# KiCad board System-Controller-UVC.kicad_pcb (continued)
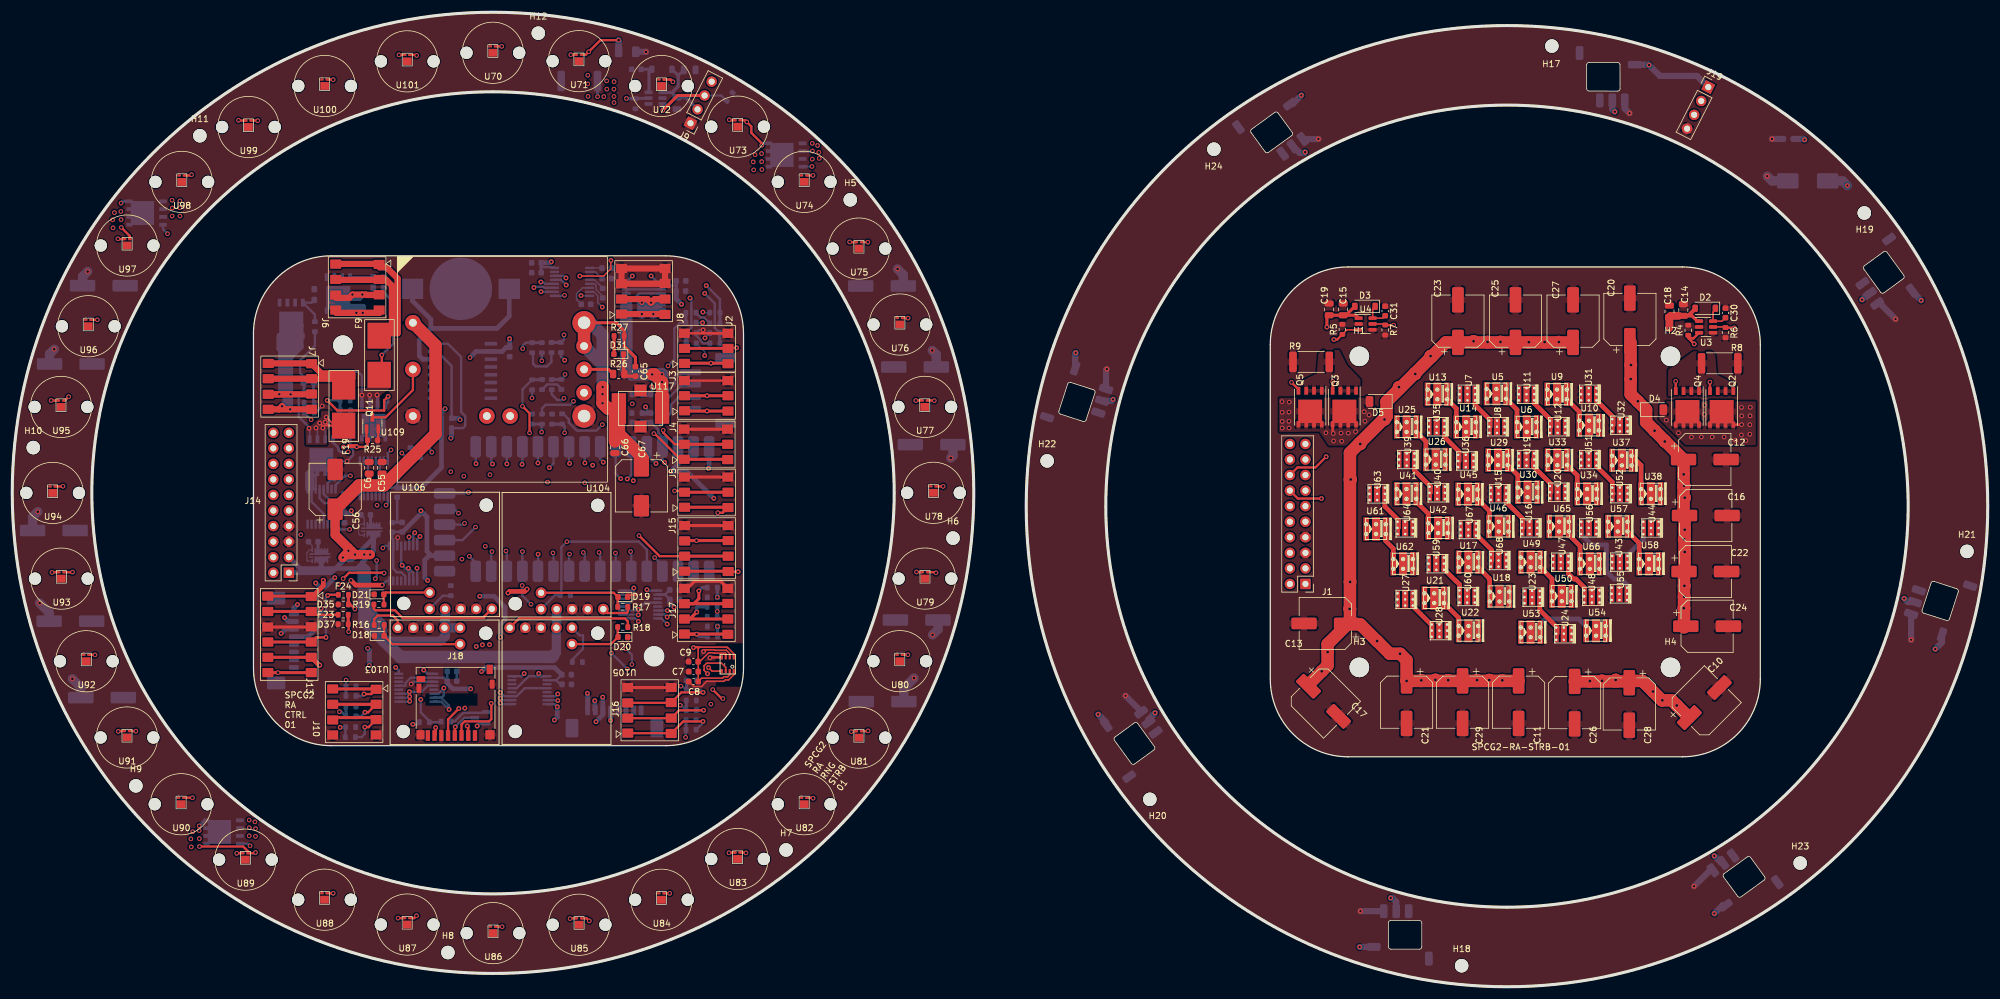
[diagram p0: board, top side]
## Nets (continued)
Pads without a net: J1 1 2 3 4 6 8 10 12 13 17 18 19 20; J11 MP; J12 MP; J18 1 8 9 10; J19 2; J20 MP; U1 13; U5 3; U6 3; U7 3; U8 3; U9 3; U10 3; U11 3; U12 3; U13 3; U14 3; U15 3; U16 3; U17 3; U18 3; U19 3; U20 3; U21 3; U22 3; U23 3; U24 3; U25 3; U26 3; U27 3; U28 3; U29 3; U30 3; U31 3; U32 3; U33 3; U34 3; U35 3; U36 3; U37 3; U38 3; U39 3; U40 3; U41 3; U42 3; U43 3; U44 3; U45 3; U46 3; U47 3; U48 3; U49 3; U50 3; U51 3; U52 3; U53 3; U54 3; U55 3; U56 3; U57 3; U58 3; U59 3; U60 3; U61 3; U62 3; U63 3; U64 3; U65 3; U66 3; U67 3; U68 3; U70 3; U71 3; U72 3; U73 3; U74 3; U75 3; U76 3; U77 3; U78 3; U79 3; U80 3; U81 3; U82 3; U83 3; U84 3; U85 3; U86 3; U87 3; U88 3; U89 3; U90 3; U91 3; U92 3; U93 3; U94 3; U95 3; U96 3; U97 3; U98 3; U99 3; U100 3; U101 3; U107 13; U108 1 3; U109 5 32 34; U110 4; U111 15; U112 13; U113 13; U114 13; U115 13; U116 13; U118 3 4; U119 3 4; U120 3 4; U121 3 4; U122 3 4; U123 3 4; U124 3 4; U125 15; U126 3 4

## Via types
v1: diameter 0.8, hole 0.4, Top to Bottom, 203 vias
v2: diameter 0.762, hole 0.457, Top to Bottom, 293 vias

## Routing (per net, layer and track width the routed paths; a pad name or vN(x,y) marks a point on that pad's centre or on a via; arc(x,y) is an arc through that point)
/DarkfieldColorAndIRIllumination/5V: length 117.6
  Top w0.254: 275.38,108.7 275.09,108.7 274.21,109.59 ; 274.99,110.8 274.99,110.68 273.88,109.56 272.04,109.56
  Top w0.508: D2.2 273.5,109.56 272.04,109.56 274.18,109.56 274.21,109.59 ; 219.82,109.18 219.34,109.66 C15.1 ; D3.2 217.72,109.66 C15.1 ; 274.05,109.74 275.09,108.7 U3.1 ; C15.1 C19.1 214.61,109.29 v1(214.61,107.72)
  Top w1.27: v1(270.52,107.57) 270.52,109.32 C18.1 270.76,109.56 272.04,109.56
  In2.Cu w1.27: 225.4,104.03 226.33,104.03 231.44,109.14 267.73,109.14 269.3,107.57 v1(270.52,107.57) ; 225.4,104.03 225.4,102.52 222.81,99.93 222.81,87.33 222.84,87.29 220.71,85.16 215.55,85.16 213.95,83.56 J1.15 ; 225.4,104.03 220.42,109.01 216.63,109.01 215.34,107.72 v1(214.61,107.72)
/LEDController/3.3V_LDO: length 384.4
  Top w0.25: 116.68,55.39 116.6,55.47 112.19,55.47 111.97,55.25 C9.1 ; C9.1 112.24,53.09 113.69,54.54 114.49,54.54 114.56,54.47 116.41,54.47 ; C9.1 111.99,53.07 C7.1 C8.1 112.55,50.4 115.96,50.4 116.17,50.62
  Top w0.254: 116.68,55.39 116.79,55.39 117.78,54.4 U2.8 ; 116.17,50.62 116.78,50.62 117.13,50.97 U2.2 ; U2.6 116.48,54.4 116.41,54.47
  Top w0.381: v1(111.2,55.38) 111.29,55.47 112.19,55.47
  In1.Cu w0.381: 109.26,96.85 105.04,96.85 104.4,97.49 v1(104.4,98)
  In1.Cu w0.762: v1(111.2,55.38) 109.71,56.88 109.71,60.11 108.04,61.78 v1(108.04,61.97) 107.21,62.8 107.21,72.44 v1(114.53,79.76) ; J14.17 v1(55.36,77.73) 55.4,77.69 66.67,77.69 v1(66.71,77.73) 66.55,77.89 v1(66.55,81.27) ; v1(109.26,111.46) 109.26,86.46 107.49,84.69 v1(107.49,84.17) 90.43,84.17 88.11,86.49 88.11,106.09 ; v1(88,118.39) 88.11,118.28 88.11,106.09 ; v1(76.32,63.77) 73.74,66.35 v1(67.82,66.35) ; v1(81.19,105.83) 81.45,106.09 88.11,106.09 ; v1(79.67,57.09) 79.35,56.77 79.35,53.86 76.97,51.48 v1(76.61,51.48) 76.61,50.42 v1(74.84,48.65)
  In2.Cu w0.762: v2(74.73,102.76) 74.73,101.99 70.67,97.93 v2(70.67,94.4)
  In4.Cu w0.508: v1(75.9,42.59) 74.84,43.65 v1(74.84,48.65) 72.44,48.65 66.65,42.86 v1(65.4,42.86)
  Bottom w0.381: U1.5 50.82,80.48 52.32,78.98 52.4,78.98 ; 52.4,78.98 50.97,78.98 50.17,79.78 U1.4 ; 52.4,78.98 C2.1 54.19,77.37 C1.1 52.48,77.32 52.4,77.4 52.12,77.13 U1.10 ; 88.81,50.06 89.48,49.38 C61.1 ; 88.81,50.06 U114.10 ; 88.81,50.06 C62.1 ; 108.4,114.52 108.4,114.53 U116.10 ; U102.16 88.39,117.52 86.35,117.52 ; v1(104.4,98) 104.4,96.85 F25.2 ; C53.1 C52.1 61.22,81.5 60.65,80.93 U107.10 ; C63.1 62.06,74.29 C64.1 62.02,73.22 62.2,73.04 U115.10 62.2,68.29 62.81,67.68 63.52,67.68 64.15,67.06 U115.4 ; C60.1 106.56,64.05 U113.10 106.57,64.05 C59.1 ; C57.1 C58.1 70.47,50.47 U112.10 65.06,50.47 64.19,49.59 64.19,49.17 U112.5
  Bottom w0.508: C47.1 C48.1 ; v1(65.4,42.86) 66.1,42.86 R28.2 ; C68.1 108.4,113.63 C69.1 ; Q14.2 76.29,42.98 v1(75.9,42.59)
  Bottom w0.762: C48.1 87.83,118.23 v1(88,118.39) ; 68.42,70.4 68.05,70.4 67.35,69.7 67.35,66.82 v1(67.82,66.35) ; 68.42,70.4 67.71,71.11 67.71,76.73 v1(66.71,77.73) 66.71,77.28 63.71,74.29 C63.1 ; 68.42,70.4 U108.34 ; C1.1 54.94,77.32 v1(55.36,77.73) ; v1(81.19,105.83) 81.2,105.82 C54.2 80.68,104.45 79.97,103.75 U110.2 75.71,103.75 v2(74.73,102.76) ; v2(70.67,94.4) 70.01,93.74 70.01,92.9 R23.2 70.07,92.84 R24.2 70.07,84.79 v1(66.55,81.27) 66.32,81.5 C52.1 ; U108.30 108.68,85.36 v1(107.49,84.17) 110.12,84.17 v1(114.53,79.76) ; v1(76.61,51.48) 77.26,52.13 88.56,52.13 C62.1 ; v1(79.67,57.09) 79.67,59.16 80.46,59.94 80.46,61.96 78.65,63.77 v1(76.32,63.77) ; 104.28,96.73 D40.1 ; C60.1 107.36,62.65 v1(108.04,61.97) ; v1(74.84,48.65) 71.93,48.65 71.01,49.57 C58.1 ; C69.1 108.38,112.34 v1(109.26,111.46)
/LEDController/5V_reg: length 225.9
  Top w0.508: J13.1 48.76,63.79
  Top w0.762: v1(50.78,66.39) 50.78,65.5 49.02,63.74 J13.1 ; v1(80.93,64.31) 81.18,64.57 83.67,64.57 v1(84.04,64.93)
  In1.Cu w0.762: v1(53.28,65.73) 60.39,58.62 60.39,48.22 63.33,45.28 v1(71.31,45.28) 72.26,44.32 73.29,44.32 73.48,44.51 96.65,44.51 v1(97.68,43.49) ; v1(80.93,64.31) 80.52,63.91 80.52,60.01 77.32,60.01 74.75,57.43 74.75,53.07 v1(70.46,48.79) ; v1(113.68,84.66) 113.68,81.37 99.56,67.25 86.1,67.25 84.21,65.36 84.21,65.13 84.04,64.96 v1(84.04,64.93)
  In2.Cu w0.762: v1(50.41,61.78) 50.41,65.48 50.78,65.85 v1(50.78,66.39) ; J14.15 52.87,77.68 52.87,68.48 v1(50.78,66.39) ; v1(50.78,66.39) 51.43,65.73 v1(53.28,65.73) 53.63,65.73 60.7,58.66 60.7,49.18 64.23,45.65 64.24,45.66 66.56,45.66 66.57,45.65 67.33,45.65 v1(70.46,48.79) 70.46,46.13 v1(71.31,45.28)
  Bottom w0.381: 69.86,47.22 70.1,47.22 70.46,47.57 v1(70.46,48.79) 70.46,48.76 69.56,47.87 U112.14 ; 69.86,47.22 70,47.22 71.31,45.91 v1(71.31,45.28) 70.02,46.57 U112.16 ; 69.86,47.22 U112.15
  Bottom w0.762: U108.32 113.76,84.74 v1(113.68,84.66) ; v1(50.41,61.78) 50.41,59.32 48.24,57.16 J11.5 ; v1(97.68,43.49) J12.5
/LEDController/12V_ENABLE: length 117.4
  Top w0.381: Q11.1 57.84,89.4 R25.1 57.99,88.5 57.66,88.16 54.95,88.16 54.79,88.33 54.89,88.42 55.84,88.42 55.86,88.44 56.17,88.44 56.19,88.42 56.19,88.2 v1(56.22,88.17)
  In3.Cu w0.381: 55.8,85.85 67.43,74.22 82.27,74.22 v1(85.85,70.64) 85.06,69.85 85.06,63.94 83.91,62.79 83.91,62.36 82,60.44 78.03,60.44 74.88,57.29 68.94,57.29 54,42.36 53.51,42.36 ; 55.8,85.85 56.22,86.27 v1(56.22,88.17) ; 55.8,85.85 46.42,76.47 43.86,76.47 42.62,75.23
  Bottom w0.381: F22.2 54.4,40.79 D32.1 53.55,42.4 53.51,42.36 ; U108.12 85.85,67.89 v1(85.85,70.64)
  vias: v1(53.54,42.36)
/LEDController/GND: length 177.8
  Top w0.25: 116.4,50.11 116.17,49.88 113.38,49.88 112.54,49.04 111.24,49.04 C8.2
  Top w0.254: U2.1 117.78,50.94 116.94,50.11 116.4,50.11 ; U2.7 117.13,54.4 116.59,54.94 114.73,54.94 114.66,55.01 113.13,55.01 v1(112.85,54.74)
  Top w0.381: 100.58,64.05 100.53,64 101.96,64 ; v1(112.79,107.27) 112.79,106.72 J2.3 J2.3 ; U2.5 113.97,53.8 v1(113.9,53.73) ; J3.3 J3.3 ; R25.2 59.74,89.34 Q11.2
  Top w0.508: J17.4 115.64,66.23 111.41,66.23 110.23,65.06 J17.4 ; D31.1 99.8,100.18 100.26,99.72 C65.2 ; J4.3 J4.3 ; J15.4 J15.4 ; J16.4 J16.4 ; J5.3 J5.3 ; J13.3 48.76,58.74
  Top w1.016: 99.47,117.31 99.47,114.81 106.52,114.81 J8.3 J8.4 99.47,117.31
  Bottom w0.178: U111.14 56.78,73.74 56.55,73.97 56.55,75.43 56.66,75.54 U111.1 57.46,76.54 C4.1 56.8,77.06 ; C5.1 48.96,72.08 U125.1 48.48,71.31 48.11,70.94 48.11,69.64 48.24,69.51 U125.14
  Bottom w0.381: C52.2 62.84,75.88 62.8,75.84 ; D12.2 112.81,105.08 112.42,105.47 112.42,105.59 111.64,106.37 D15.2 112.15,107.27 v1(112.79,107.27) ; D8.2 89.64,97.68 88.95,98.37 87.34,98.37 D10.2 ; v2(62.92,73.35) 62.85,73.28 U115.11 ; R15.2 55.19,88.14 55.63,87.7 55.63,86.79 v2(54.67,85.82) 54.02,85.82 53.67,85.47 53.67,83.72 52.66,82.71 51.95,82.71 51.47,82.24 U1.6 ; D22.2 85.02,103.4 85.02,101.75 85.46,101.31 87.3,101.31 88.03,102.04 D24.2 ; D13.2 112.39,109.3 112.91,109.3 113.85,108.36 D14.2 ; C57.2 C58.2 ; U116.11 U116.6 U116.5 U116.4 ; U112.11 65.48,49.82 v2(65.12,49.46) ; U107.11 60,85.22 U107.5 ; 62.8,75.84 C63.2 ; 62.8,75.84 62.06,75.84 C64.2 ; R3.2 49.54,93.75 v2(50.61,94.82)
/LEDController/Vin: length 184.1
  Top w0.762: C6.1 58.27,81.95 58.35,81.87 ; C55.1 60.37,82.19 60.69,81.87
  Top w1.524: v1(55.96,70.58) v1(57.47,70.58) v1(58.43,70.58) ; v1(55.96,70.58) 55.34,71.2 v1(54.88,71.2) 54.88,71.66 52.72,73.82 C56.1 ; v1(55.96,70.58) 54.45,70.58 v1(53.97,70.1)
  Top w2.032: U109.1 69.11,104.74 69.11,90.29 60.69,81.87 56.61,81.87 C56.1
  Bottom w0.762: U111.10 55.44,69.73 54.19,69.73 52.08,67.61 J14.1 49.39,67.61 50.46,68.68 U125.13 ; U111.13 58.96,72.43 ; 58.96,72.43 U111.11 ; 58.96,72.43 58.96,71.11 v1(58.43,70.58) 57.15,69.3 57.15,68.31 47,68.31 J14.3
  Bottom w1.524: 88.36,54.12 88.83,54.6 U105.4 88.87,58.67 U104.4 ; 57.15,68.31 57.15,62.43 60.41,59.17 60.41,56.42 69.88,56.42 70.68,57.22 70.68,58.5 U103.4 ; U106.4 70.67,58.73 U103.4 ; U103.4 U103.5
  Bottom w2.032: 88.36,54.12 88.1,53.86 63.34,53.86 57.51,59.69 57.51,67.95 57.15,68.31
/UVCIllumination/GND: length 33.7
  Bottom w1.016: v1(181.73,47.53) 184.28,44.98 U123.1 ; U124.1 178.57,100.75 v1(178.69,100.87) ; v1(310,56.67) 309.99,56.69 U120.1 ; v1(213.23,138.46) 213.22,138.44 U126.1 ; v1(274.57,16.41) 277.19,19.03 U121.1 ; R30.2 v1(287.27,138.46) ; U118.1 263.24,143.44 v1(264.03,142.65) ; U119.1 304.9,111.59 v1(307.45,109.04) ; U122.1 v1(220.09,12.35)
  Bottom w1.524: C70.2 287.27,131.6 v1(286.51,132.36)
/UVCIllumination/VIN: length 34.1
  Bottom w1.016: v1(177.29,44.48) 178.59,43.18 U123.5 ; U124.5 173.52,103.45 v1(173.61,103.53) ; J19.1 275.05,148.75 268.98,148.75 v1(267.2,150.52) 267.14,150.59 U118.5 ; v1(313.94,55.15) 315.03,56.24 U120.5 ; U126.5 209.01,144.14 v1(210.44,145.57) ; U119.5 310.15,113.57 v1(311.64,112.08) ; U121.5 279.24,13.33 v1(277.87,11.97) ; 222.25,6.51 v1(219.96,6.51)
  Bottom w1.524: C70.1 298.83,131.6 v1(299.59,130.84)
/VioletRingIllumination/5V: length 12.7
  Bottom w0.508: 108.71,148.82 108.72,148.82 C34.1 ; 108.71,148.82 108.71,147.05 107.7,146.04 ; 108.71,148.82 D6.2 ; 106.22,146.04 107.7,146.04 ; 107.7,146.04 C36.1 109.94,145.22 J9.2
/DarkfieldColorAndIRIllumination/TRIG_COLOR: length 97.2
  Top w0.254: 274.49,105.91 275.38,106.8
  Top w0.381: v1(213.72,79.72) 209.87,79.72 J1.14 ; 273.65,105.91 v1(274.58,104.98) ; 273.65,105.91 273.65,106.33 274.07,105.91 274.49,105.91 ; 273.65,105.91 274.49,105.91 ; 274.49,105.91 U3.3
  In4.Cu w1.016: v1(213.72,79.72) 216.99,79.72 220.78,83.51 267.17,83.51 267.17,88.53 266.2,89.5 266.2,94.45 268.76,97.01 267.89,97.88 267.89,104.64 269.02,105.77 273.79,105.77 v1(274.58,104.98)
/DarkfieldColorAndIRIllumination/TRIG_IR: length 48.4
  Top w0.254: 219.82,107.28 217.89,107.28 R5.1
  Top w0.381: R5.1 216.31,105.7 v1(215.75,105.7) ; v1(214.5,86.56) 212.74,84.8 209.82,84.8 J1.16
  In4.Cu w1.016: v1(215.75,105.7) 216.84,106.79 222.04,106.79 224.45,104.38 224.45,100.54 222.93,99.03 222.93,89.11 223.43,88.61 221.38,86.56 v1(214.5,86.56)
/DarkfieldColorAndIRIllumination/VAnodeColor: length 72.4
  Top w2.032: 255.06,49.87 257.49,49.87 v2(257.54,49.91) 257.59,49.87 259.43,49.87 v2(259.54,49.97) 259.65,49.87 261.5,49.87 v2(261.75,50.11) 262,49.87 264.12,49.87 264.2,49.95 266.13,49.95 v2(267.86,48.21) 269.3,46.77 v2(269.39,46.77) 270.93,46.77 271.73,45.97 v2(271.73,45.93) 271.77,45.93 273.68,44.02 ; 264.2,105.23 264.2,101.59 v2(264.25,101.54) 264.2,101.5 264.2,99.25 v2(264.21,99.24) 264.2,99.24 264.2,96.76 265.35,95.61 v2(265.38,95.61) 265.38,95.58 D4.1 266.73,92.21 268.11,90.83 v2(268.11,90.8) 268.13,90.8 269.77,89.17 v2(269.77,89.04) 269.89,89.04 272.84,86.1 272.84,83.7 v2(272.86,83.67) 272.84,83.65 272.84,81.94 v2(272.96,81.81) 272.84,81.69 272.84,80.07 v2(273.03,79.87) 272.84,79.68 272.84,77.12 C16.1 273,74.68 v2(273.03,74.64) 273,74.61 273,73.15 v2(272.93,73.08) 273,73.02 273,71.05 v2(273.03,71.01) 273,70.98 273,67.89 C22.1 272.92,65.55 v2(272.98,65.48) 272.92,65.42 272.92,63.73 v2(272.95,63.69) 272.92,63.66 272.92,61.86 v2(272.88,61.82) 272.92,61.79 272.92,58.67
/DarkfieldColorAndIRIllumination/VAnodeIR: length 121.4
  Top w2.032: 217.97,59.17 217.95,59.17 214.73,55.95 v2(214.73,54.65) 214.73,52.47 v2(213.77,51.51) 213.77,51.5 211.71,49.44 ; 217.97,59.17 220.07,59.17 222.79,56.45 v2(222.81,56.45) 224.88,54.38 v2(226.56,54.38) 227.63,53.32 v2(227.63,49.95) 229.95,49.95 v2(230.03,50.03) 230.12,49.95 232.16,49.95 v2(232.33,50.12) 232.51,49.95 234.31,49.95 v2(234.42,50.06) 234.54,49.95 C29.1 239.01,49.95 v2(239.12,50.06) 239.24,49.95 240.98,49.95 v2(241.12,50.09) 241.27,49.95 243.17,49.95 v2(243.26,50.04) 243.36,49.95 C11.1 ; 217.97,59.17 218.38,59.58 218.38,61.64 v2(218.32,61.7) 218.38,61.76 218.38,66.08 v2(218.41,66.11) 218.38,66.14 218.38,82.72 v2(218.5,82.84) 218.38,82.96 218.38,87.18 219.83,88.63 v2(220.06,88.63) 220.06,88.86 223.83,92.63 v2(224.02,92.63) 224.02,92.82 224.36,93.16 224.36,95.56 D5.1 226.38,97.58 v2(226.38,97.92) 226.72,97.92 228.87,100.07 v2(229.05,100.07) 229.05,100.25 231.54,102.74 v2(231.54,102.99) 231.79,102.99 234.03,105.23 C23.1 238.38,105.23 v2(238.56,105.41) 238.75,105.23 240.77,105.23 v2(240.84,105.3) 240.92,105.23 242.88,105.23 v2(242.95,105.3) 243.03,105.23 C25.1 247.56,105.23 v2(247.58,105.25) 247.61,105.23 250.11,105.23 v2(250.16,105.28) 250.22,105.23 252.44,105.23 v2(252.49,105.28) 252.55,105.23 C27.1
/LEDController/A3: length 65.2
  In2.Cu w0.381: v2(109.92,40.73) 109.86,40.79 109.86,44.66 112.12,46.92 113.94,46.92 116.15,49.13 116.15,66.77 114.65,68.27 90.86,68.27 v2(88.27,70.86)
  Bottom w0.381: F13.2 109.92,41.9 v2(109.92,40.73) ; v2(88.27,70.86) 88.36,70.77 U108.11
  Bottom w0.508: D29.1 F13.2
/LEDController/A4: length 60.7
  In2.Cu w0.381: v2(90.98,70.65) 92.82,68.81 105.39,68.81 105.44,68.86 105.92,68.86 106.51,69.45 114.6,69.45 116.73,67.32 116.73,48.82 v2(114.06,46.15)
  In3.Cu w0.381: v2(114.06,46.15) 109.23,46.15 v2(109.06,45.98)
  Bottom w0.381: 90.9,67.86 90.9,70.57 v2(90.98,70.65) ; v2(109.06,45.98) 109.23,45.98 F14.2
  Bottom w0.508: D27.1 110.04,45.19 F14.2
/LEDController/A5: length 61.2
  Top w0.381: v2(114.36,48.53) 115.83,47.06 v2(116.02,47.06)
  In2.Cu w0.381: v2(116.02,47.06) 117.44,48.48 117.44,67.92 115.34,70.02 106.31,70.02 105.69,69.4 105.21,69.4 105.17,69.36 94.78,69.36 v2(93.22,70.92)
  In3.Cu w0.381: v2(114.36,48.53) 113.8,49.09 v2(109.14,49.09)
  Bottom w0.381: U108.9 93.44,70.7 v2(93.22,70.92) ; F15.2 109.36,49.09 v2(109.14,49.09)
  Bottom w0.508: F15.2 110.08,48.41 D25.1
/LEDController/GPIO_0: length 80.4
  In3.Cu w0.381: v2(54.06,88.13) 54.73,88.8 55.68,88.8 55.8,88.93 56.54,88.93 56.98,88.48 56.98,88.33 66.15,79.16 67.57,79.16 69.38,77.35 v2(72.85,77.35)
  In4.Cu w0.381: v2(90.08,106.46) 89.84,106.22 83.44,106.22 82.39,105.17 82.39,102.55 77,97.16 75.31,97.16 75.31,91.39 72.85,88.94 v2(72.85,77.35) ; J14.19 45.19,90.44 51.74,90.44 v2(54.06,88.13)
  Bottom w0.381: U108.37 72.18,78.02 v2(72.85,77.35) ; v2(90.08,106.46) 90.08,105.74 F10.2
  Bottom w0.508: D24.1 89.55,105.21 F10.2
/LEDController/GPIO_1: length 55.2
  In4.Cu w0.381: 42.62,90.47 43.86,89.23 51.57,89.23 54.24,86.56 55.21,86.56 60.38,81.39 ; 60.38,81.39 62.6,81.39 v2(68.5,87.28) ; 60.38,81.39 66.09,75.68 v2(73.84,75.68)
  Bottom w0.381: v2(68.5,87.28) 68.5,87.48 67.93,88.05 D23.1 ; U108.36 73.64,75.48 v2(73.84,75.68)
  Bottom w0.508: D23.1 66.59,88.05 F11.2
/LEDController/GPIO_2: length 42.1
  In4.Cu w0.381: v2(75.63,75.06) 75.63,83.71 79.53,87.61 79.53,96.79 83.33,100.59 v2(83.33,104.21)
  Bottom w0.381: v2(83.33,104.21) 83.33,104.68 83.83,105.19 D22.1 ; v2(75.63,75.06) 73.51,72.94 U108.35
  Bottom w0.508: D22.1 F12.2
/LEDController/GPIO_3: length 51.7
  In3.Cu w0.381: v1(83.23,85.31) 83.23,83.84 86.79,80.28 99.63,80.28 114.32,65.59 114.32,59.64 v2(115.13,58.83)
  Bottom w0.381: v1(83.23,85.31) 83.28,85.36 83.28,88.18
  Bottom w0.508: v2(115.13,58.83) F16.2
/LEDController/GPIO_4: length 63.7
  In3.Cu w0.381: v2(115.09,61.29) 116.31,60.08 116.31,58.38 115.79,57.86 114.76,57.86 113.45,59.17 113.45,64.39 106.85,70.99 106.85,71.15 101.02,76.98 95.12,76.98 93.09,79.01 87,79.01 85.26,80.75 v2(74.48,80.75)
  Bottom w0.381: v2(74.48,80.75) 74.29,80.56 U108.38
  Bottom w0.508: D28.1 v2(115.09,61.29) F17.2
/LEDController/GPIO_5: length 106.8
  In2.Cu w0.381: v1(66.69,46.91) 71.79,52.02 71.79,61.09 71.98,61.28 71.98,62.27 72.72,63.01 79.01,63.01 79.87,63.87 79.87,64.99 79.92,64.99 84.47,69.54 84.47,79.67 85.82,81.02 v1(85.82,85.53)
  In3.Cu w0.381: v1(85.82,85.53) 85.95,85.4 85.95,81.94 86.76,81.13 106.63,81.13 115.54,72.22 115.54,64.03 v2(115.11,63.61)
  Bottom w0.381: v1(66.69,46.91) 66.69,44.8 68.1,43.39 R28.1 69.89,43.21 R29.2 ; U108.21 85.82,85.53 v1(85.82,85.53)
  Bottom w0.508: F18.2 115.1,63.62 v2(115.11,63.61)
/LEDController/GPIO_6: length 71.6
  Top w0.381: v1(74.28,42.59) 74.44,42.42 J18.2
  In1.Cu w0.381: v1(74.28,42.59) 74.28,42.69 73.5,43.47 67.97,43.47 67.38,44.06 62.86,44.06 56.84,50.08 v2(54.5,50.08)
  In4.Cu w0.381: v2(54.5,50.08) 59.5,55.08 59.5,65.78 60.53,66.82 61.06,66.82 61.44,67.19 76.63,67.19 v2(80.6,71.16)
  Bottom w0.381: v2(54.5,50.08) 54.5,49.09 D34.1 ; U108.14 80.74,71.02 v2(80.6,71.16)
  Bottom w0.508: D34.1 F20.2
/LEDController/LED1_EN: length 82.3
  Top w0.381: v2(60.7,67.55) 60.63,67.62 54.99,67.62 v2(54.02,66.65)
  In4.Cu w0.381: v2(90.55,72.69) 66.12,72.69 60.98,67.55 v2(60.7,67.55) ; 42.62,67.61 43.86,68.85 43.86,68.85 43.9,68.85 51.83,68.85 54.02,66.66 v2(54.02,66.65)
  Bottom w0.381: U104.5 88.61,63.95 R20.2 89.63,64.13 89.63,71.78 v2(90.55,72.69) 102.27,72.69 103.6,71.36 U108.5
/LEDController/LED2_EN: length 66.9
  In3.Cu w0.381: v2(84.68,62.47) 84.68,61.12 85.64,60.17 89.83,60.17 U105.5 ; v2(83.25,65.53) 79.4,65.53 74.63,70.3 v2(74.63,70.3) 74.36,70.57 73.1,70.57 73.07,70.54 61.79,70.54 60.12,68.87 43.9,68.87 42.62,70.15
  Bottom w0.381: U105.5 92.62,57.38 93.17,57.38 93.17,55.17 91.43,53.44 R21.2 ; v2(83.25,65.53) 83.25,63.91 v2(84.68,62.47) ; U108.16 75.66,69.27 v2(74.63,70.3)
/LEDController/LED3_EN: length 72.8
  In2.Cu w0.381: 71.36,64.94 77.23,70.81 v2(77.23,71.93) ; 71.36,64.94 71.56,65.14 78.84,65.14 83.3,69.6 v2(83.3,71.07) ; 71.36,64.94 U106.5
  In3.Cu w0.381: v2(77.23,71.93) 76.83,72.33 62.91,72.33 62.62,72.61 47.16,72.61 46.03,71.48 43.82,71.48 42.62,72.69
  Bottom w0.381: R22.2 70.27,63.86 U106.5 ; v2(83.3,71.07) 83.28,71.05 83.28,67.86
/LEDController/PowerInput/INA260/IN+: length 8.5
  Bottom w0.381: U107.3 58.05,82.86 59.35,81.56 U107.12 ; 57.4,90.06 58.99,91.65
/LEDController/PowerInput/INA260/IN-: length 3.8
  Bottom w0.178: U111.16 58.66,74.89 U111.2
  Bottom w0.508: C4.2 58.48,75.67 U111.2
/LEDController/PowerInput/INA261/IN+: length 29.6
  Top w0.381: 62.94,58.62 62.94,59.81 62.13,60.62 59.66,60.62 59.07,60.04 R16.2
  In1.Cu w1.524: v1(64.88,46.62) v1(64.88,47.38) 64.88,48.13 v1(64.84,48.18) 64.55,48.18 63.8,48.93 63.8,49.87 63.95,50.02 63.95,57.62 62.94,58.62
  Bottom w0.381: U112.2 64.71,47.22 v1(64.88,47.38) ; U112.1 64.82,46.57 v1(64.88,46.62) ; U112.12 67.84,49.17 66.85,48.18 v1(64.84,48.18) 64.52,47.87 U112.3
/LEDController/PowerInput/INA262/IN+: length 25.4
  Top w0.381: 96.49,61.67 97.13,61.03 100.31,61.03 100.49,61.22 R17.2
  In1.Cu w1.524: v1(102.21,59.66) v1(102.21,60.73) v1(102.21,61.61) 101,62.82 97.64,62.82 96.49,61.67
  Bottom w0.381: U113.2 102.14,60.8 v1(102.21,60.73) ; U113.12 103.34,62.75 v1(102.21,61.61) 102.04,61.45 U113.3 ; v1(102.21,59.66) 101.72,60.15 U113.1
/LEDController/PowerInput/INA263/IN+: length 46.5
  Top w0.381: R18.2 100.49,59.67 100.01,60.15 82.73,60.15 U105.1
  In1.Cu w1.524: v1(79.65,46.35) 79.65,46.35 v1(79.65,47.12) v1(79.65,48.05) 81.21,49.62 U105.1
  In2.Cu w0.762: 79.65,46.35 v1(79.65,46.35)
  Bottom w0.381: v1(79.65,46.35) 79.84,46.16 U114.1 ; U114.12 83.66,48.76 82.36,47.46 U114.3 80.24,47.46 v1(79.65,48.05) ; v1(79.65,47.12) 79.96,46.81 U114.2
/LEDController/PowerInput/INA264/IN+: length 52.2
  Top w0.381: R19.2 59.03,61.73 59.28,61.48 62.48,61.48 63.72,60.24 77.06,60.24 77.06,60.48 U106.1
  In1.Cu w1.524: U106.1 78.29,66.06 76,68.35 v1(66.08,68.35) v1(64.68,68.35) 64.12,68.35 v1(63.65,68.83)
  Bottom w0.381: U115.1 66.1,68.33 v1(66.08,68.35) ; U115.3 64.8,67.67 v1(63.65,68.83) 63.5,68.97 U115.12 ; U115.2 65.45,67.58 v1(64.68,68.35)
/LEDController/PowerInput/INA269/IN+: length 24.2
  Bottom w0.381: Q12.5 49.52,83.64 U1.3 U1.2 48.87,79.2 50.82,77.25 U1.12
  Bottom w0.508: Q12.5 48.87,82.99 U1.2
  Bottom w0.762: U1.2 48.87,84.46 Q12.5 48.22,83.81 U1.1
/LEDController/PowerInput/INA269/IN-: length 3.2
  Bottom w0.178: U125.2 50.16,70.66 U125.16
  Bottom w0.508: C5.2 49.92,71.35 U125.3
/LEDController/PowerInput/TDK-i7C1/INA260/IN+: length 30.6
  Top w2.032: v1(104.46,100) 104.83,100 v1(106.08,98.75) U117.4
  Bottom w0.381: U116.3 101.04,111.93 102.34,113.23 U116.12
  Bottom w2.032: v1(106.08,98.75) v1(106.08,100.03) 106.06,100 v1(104.46,100) 101.16,100 100.12,101.04 100.25,101.17 100.25,111.16
/LEDController/PowerInput/TDK-i7C1/Vout: length 37.8
  Top w1.016: 99.47,109.86 v1(102.78,109.86) v1(104.66,109.86) 106.52,109.86 J8.1 ; 99.47,112.31 103.7,112.31 v1(104.28,111.72) 104.87,112.31 J8.2
  Bottom w0.381: v1(104.28,111.72) 104.49,111.93 104.83,111.93 ; U116.14 105.97,111.72 105.86,111.6 ; U116.14 104.83,111.93 ; U116.14 U116.16 ; 104.83,111.93 104.83,111.77 105.63,110.96 ; 104.83,111.93 105.19,111.93 ; 104.83,111.93 104.83,110.68 ; 104.83,110.68 105.12,110.96 105.63,110.96 ; 104.83,110.68 104.88,110.63 ; 105.69,111.43 104.88,110.63 ; 105.69,111.43 105.19,111.93 ; 105.69,111.43 105.86,111.6 ; 104.88,110.63 103.55,110.63 v1(102.78,109.86) ; 104.88,110.63 U116.16 ; U116.15 103.22,111.28 v1(102.78,111.72) ; 105.86,111.6 105.52,111.6 105.19,111.93 ; 105.63,110.96 U116.16 ; U116.16 105.43,110.63 v1(104.66,109.86)
  Bottom w1.524: v1(104.28,111.72) 104.28,110.23 v1(104.66,109.86) ; v1(102.78,109.86) v1(102.78,111.72)
/LEDController/SCL: length 249.3
  Top w0.254: U2.4 114.24,51.55 v1(113.67,52.11)
  In2.Cu w0.762: v2(71.59,84.12) 71.61,84.1 71.76,84.1 65.49,84.1 61.03,79.64 v2(61.03,78.65)
  In4.Cu w0.381: v2(101.16,52.63) 101.91,51.88 107.34,51.88 107.51,52.05 113.61,52.05 v1(113.67,52.11) ; 42.62,77.77 43.91,76.48 45.66,76.48 47.46,74.69 48.17,74.69
  In4.Cu w0.762: v1(104.3,116.08) 106.53,113.85 106.53,112.06 109.03,109.56 109.03,89.1 108.97,89.04 108.97,88.09 v1(106.51,85.63) 106.51,72.1 107.39,71.22 107.39,68.62 v1(103.62,64.85) 102.47,63.7 101.46,63.7 100.17,62.41 v2(100.17,55.19) 96.13,51.15 v1(85.95,51.15) 85.23,51.15 84.06,49.98 68.91,49.98 v1(67.17,51.72) 66.61,51.16 59.61,51.16 v2(58.3,52.47) ; v2(58.02,55.27) 58.02,66.91 59.13,68.02 59.7,68.02 60.5,68.82 v2(60.5,71.66) ; 47.8,74.69 47.84,74.72 57.44,74.72 v2(60.5,71.66) ; v2(61.03,78.65) 60.5,78.12 v2(60.5,71.66) ; v2(71.59,84.12) v2(71.59,89.58)
  Bottom w0.381: U114.5 82.36,48.76 84.31,50.71 U114.9 86.39,50.71 v1(85.95,51.15) ; U112.9 67.77,51.12 v1(67.17,51.72) ; U113.9 103.77,64.7 v1(103.62,64.85) ; U110.16 71.11,105.02 73.28,102.85 73.28,93.86 73.95,93.19 73.95,91.59 73.59,91.24 R24.1 ; U116.9 105.2,115.18 v1(104.3,116.08) ; 103.64,92.15 F27.2 105.46,90.97 105.46,90.46 106.14,89.78 U108.29 106.14,86 v1(106.51,85.63) ; v2(101.16,52.63) 101.16,54.2 v2(100.17,55.19) ; v2(55.07,74.69) 53.63,74.69 U1.9 ; U107.9 61.3,78.93 v2(61.03,78.65) ; U115.9 60.84,72 v2(60.5,71.66)
  Bottom w0.762: R24.1 71.72,89.71 v2(71.59,89.58) ; 104.28,92.15 102.82,92.15 ; v2(58.02,55.27) 58.3,54.99 v2(58.3,52.47)
/LEDController/SDA: length 276.2
  Top w0.254: v1(113.5,51.13) 112.94,51.68 112.94,52.42 113.34,52.82 113.51,52.82 113.53,52.84 115.79,52.84 116.48,52.15 U2.3
  Top w0.762: v2(55.3,66.35) 56.06,65.59 v2(60.4,65.59)
  In1.Cu w0.381: v2(47.1,73.82) 47.1,75.05 45.61,76.53 44.64,76.53 43.86,77.32 43.86,79.07 42.62,80.31
  In2.Cu w0.381: v2(61.84,87.67) 59.43,87.67 v2(55.2,83.44)
  In2.Cu w0.762: v2(73.12,92.6) 73.64,92.08 73.64,84.95 74.96,83.63 v2(77.99,83.63)
  In4.Cu w0.381: 108.01,95.84 105.67,95.84 104.53,94.69 v1(103.39,94.69) ; v1(113.5,51.13) 101.17,51.13 v2(100.41,51.89)
  In4.Cu w0.762: 84.22,52.78 83.57,52.14 v1(83.57,51.15) ; 84.22,52.78 96.08,52.78 v2(97.8,54.5) 99.1,55.8 99.1,63.48 100.74,65.12 v1(101.48,65.12) 101.48,68.02 105.1,71.64 v1(105.1,85.45) ; 84.22,52.78 63.27,52.78 ; v2(77.99,83.63) 78.02,83.66 96.41,83.66 98.2,85.45 v1(105.1,85.45) ; 63.27,52.78 62.63,52.14 v1(62.59,52.14) ; 63.27,52.78 62.82,52.78 60.4,55.2 v2(60.4,65.59) ; v2(61.84,87.67) 64.82,90.65 71.17,90.65 v2(73.12,92.6) ; v1(105.1,85.45) 105.1,86.5 108.01,89.41 108.01,108.89 105.52,111.38 105.52,112.88 102.32,116.08 v1(101.23,116.08) ; v2(55.3,66.35) 55.3,66.79 48.37,73.72 47.2,73.72 v2(47.1,73.82)
  Bottom w0.381: 103.64,93.68 103.64,94.44 v1(103.39,94.69) ; v1(83.57,51.15) 83.13,50.71 U114.8 ; v2(97.8,54.5) v2(100.41,51.89) ; U107.8 61.3,87.14 v2(61.84,87.67) ; v2(55.2,83.44) 54.29,83.44 52.77,81.93 U1.8 ; R23.1 71.72,101.39 69.36,103.75 U110.15 ; v1(101.23,116.08) 100.32,115.18 U116.8 ; v2(60.4,65.59) 61.08,66.28 U115.8 ; U108.28 103.6,86.95 v1(105.1,85.45) ; v1(62.59,52.14) 63.11,51.62 U112.8 ; U113.5 100.89,62.75 101.48,63.33 v1(101.48,65.12) 101.05,64.7 U113.8